# Allegro board pc065c_fibv2_toplevel_28smoothed.brd (continued)
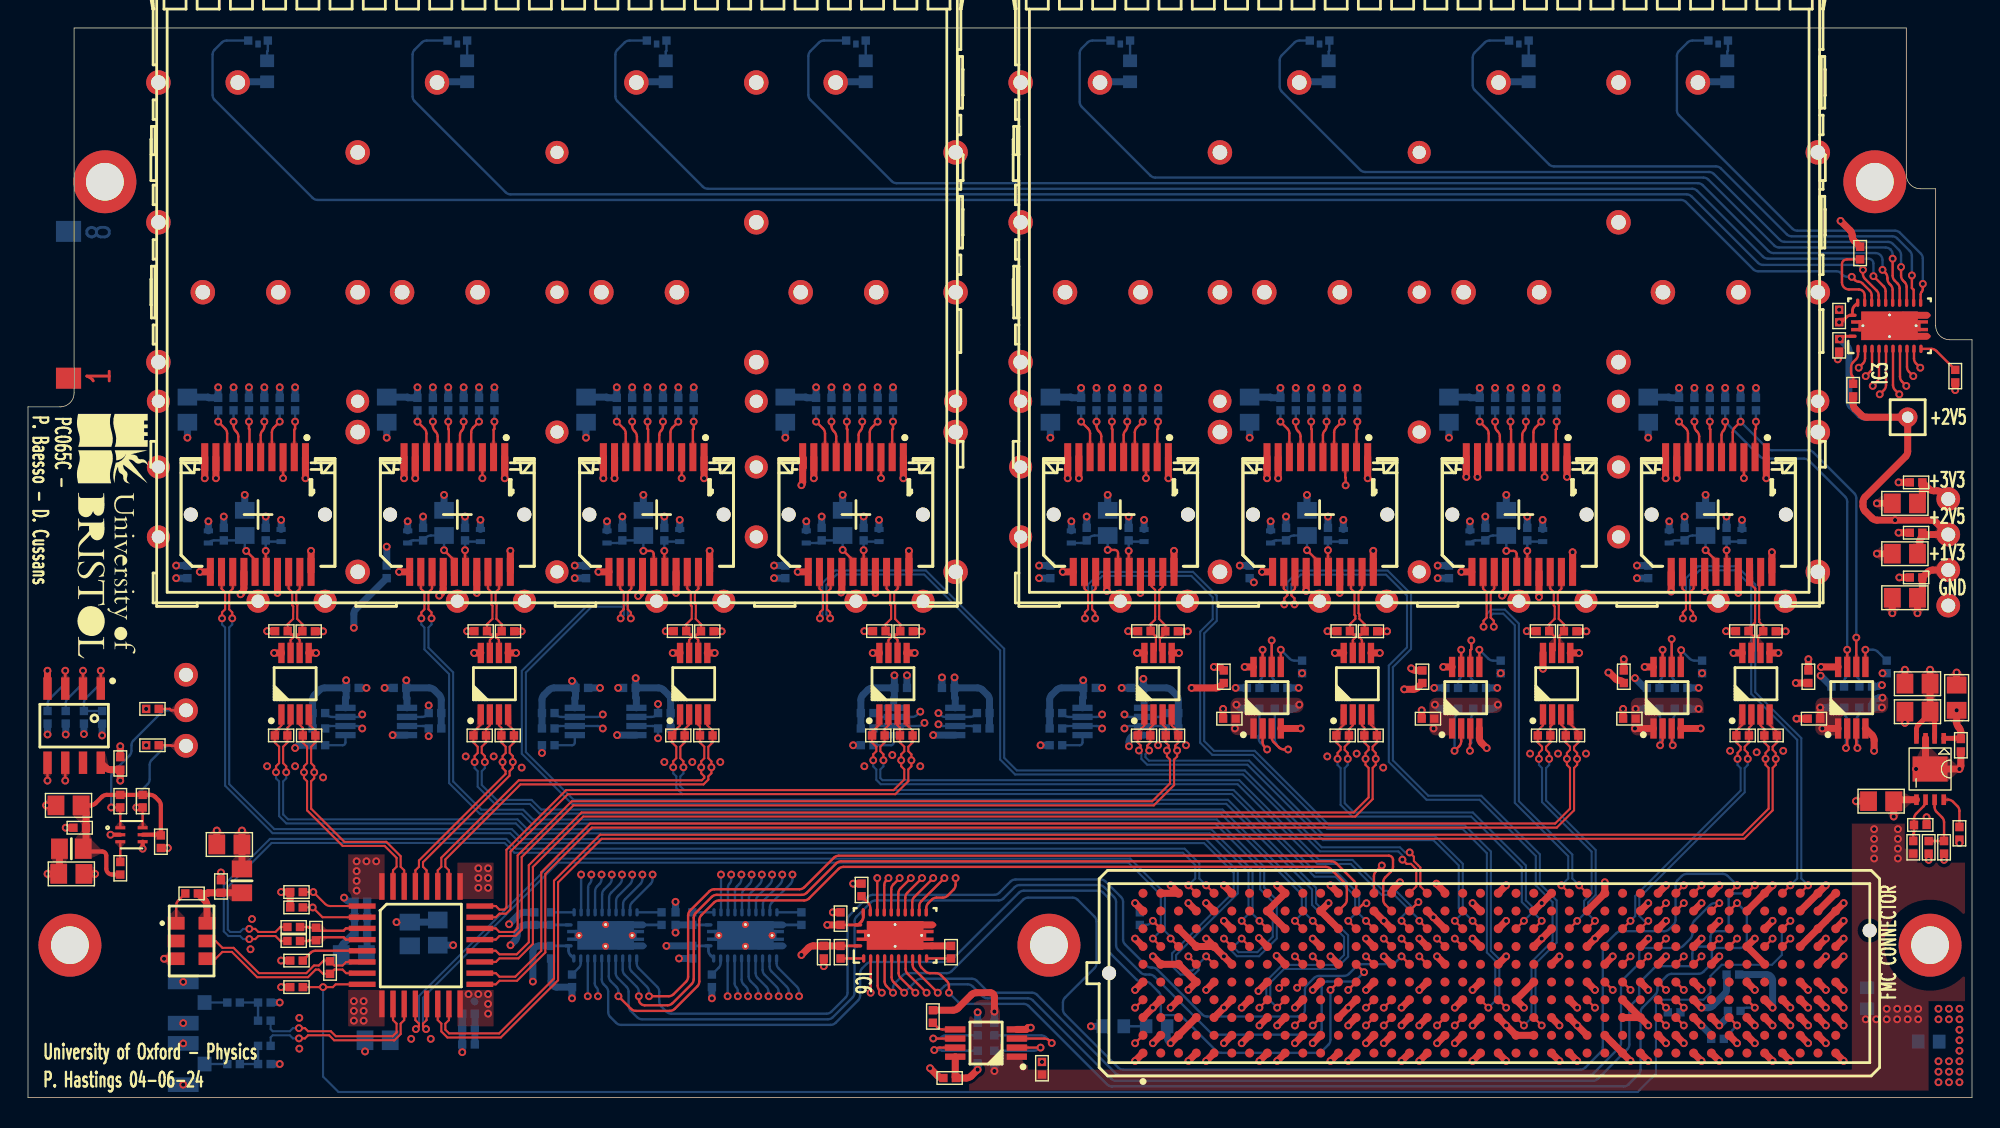
[diagram p0: board, top side]
## Routing (per net, layer and track width the routed paths; a pad name or vN(x,y) marks a point on that pad's centre or on a via; arc(x,y) is an arc through that point) (continued)
P1V3: length 29.7
  TOP w0.35: 136,27.5 C99.2 ; 136,27.5 135.17,26.67 arc(135.06,26.51) 135.03,26.32 U11.4 ; 136,27.5 arc(136.04,27.32) 136.14,27.16 136.18,27.12 arc(136.29,26.96) 136.32,26.77 U11.2
  TOP w0.5: C99.2 C100.2 v1(136,30.6) ; R22.2 v1(17.1,33.36) ; R107.2 v1(107.16,33.36) ; R42.2 v1(45.6,33.36) ; R99.2 v1(121.41,33.36) ; J40.2 136.19,37.73 arc(136,37.69) 135.83,37.58 C36.2 135.45,36.31 arc(135.41,36.12) 135.3,35.95 C37.2 v1(135.1,34.64) ; R100.2 v1(125.68,33.35) ; R34.2 v1(31.4,33.36) ; R123.2 v1(78.66,33.36) ; R108.2 v1(111.43,33.35) ; R51.2 v1(63.9,33.35) ; R43.2 v1(49.6,33.35) ; R124.2 v1(82.93,33.35) ; R116.2 v1(97.18,33.35) ; R23.2 v1(21.1,33.35) ; R35.2 v1(35.3,33.35) ; R50.2 v1(59.8,33.36) ; R115.2 v1(92.91,33.36)
  L5_PWR w0.5: 136.52,36.95 J40.2 ; J40.2 138.08,38.51 ; J40.2 137.3,36.7 ; J40.2 138.08,36.95 ; J40.2 136.27,37.73 ; J40.2 137.3,38.76 ; J40.2 136.52,38.51
  vias: v1(15.91,10.61) v1(16.02,12.77) v1(19.4,5.7) v1(19.4,3.5) v1(27.4,4.2) v1(28.8,4.2)
P2V5: length 107.5
  TOP w0.2: IC3.1 129.96,54.45 arc(129.77,54.41) 129.6,54.3 v1(129.55,54.25) ; IC6.1 R73.1
  TOP w0.5: IC20.1 v1(128.3,26.4) ; v1(55.3,10.2) 55.8,10.7 arc(55.97,10.81) 56.16,10.85 C26.2 R73.1 ; R133.1 66.14,6.25 arc(66.33,6.29) 66.5,6.4 67.45,7.35 arc(67.62,7.46) 67.81,7.5 68.8,7.5 arc(69.01,7.41) 69.1,7.2 v1(69.1,6.16) ; C38.2 135.58,40.27 ; 135.58,40.27 J40.3 136.42,41.15 arc(136.25,41.26) 136.06,41.3 v1(133.5,41.3) 132.21,41.3 arc(132.02,41.34) 131.85,41.45 131.35,41.95 arc(131.24,42.11) 131.2,42.3 131.2,42.6 arc(131.24,42.79) 131.35,42.95 134.25,45.85 arc(134.36,46.02) 134.4,46.21 TP10.1 131.45,48.66 arc(131.26,48.7) 131.09,48.81 130.65,49.25 arc(130.54,49.42) 130.5,49.61 R66.1 ; 135.58,40.27 135.41,40.1 arc(135.3,39.93) 135.26,39.74 135.26,39.27 arc(135.22,39.08) 135.11,38.91 C39.2 ; v1(128.15,27.9) 128.15,27.89 C95.2 ; 116.22,26.4 v1(114.9,26.4)
  L5_PWR w0.5: TP10.1 135.07,47.99 ; TP10.1 133.52,48.66 ; TP10.1 133.73,49.33 ; TP10.1 135.07,49.33 ; TP10.1 134.4,49.54 ; TP10.1 133.73,47.99 ; TP10.1 134.4,47.78
  BOTTOM w0.2: IC4.23 38.8,10.18 arc(38.69,10.34) 38.65,10.53 IC4.24 C23.1 ; C25.1 IC5.24 48.65,10.53 arc(48.69,10.34) 48.8,10.18 IC5.23
  BOTTOM w0.5: R138.1 19.51,25.2 arc(19.32,25.16) 19.15,25.05 v1(19.1,25) ; R166.2 v1(119.45,27.8) ; R148.1 v1(59,25.2) ; IC14.1 43.5,28.56 43.45,28.61 C83.2 ; C3.2 29.3,12.7 arc(29.13,12.59) 28.94,12.55 L2.1 v1(26.35,12.55) ; C85.2 66.25,28.61 66.3,28.56 IC15.1 ; C85.2 v1(66.25,30.05) ; C85.2 67.89,29.3 arc(68.08,29.26) 68.25,29.15 68.6,28.8 arc(68.71,28.63) 68.75,28.44 R147.2 R146.2 ; IC12.1 27.1,28.56 27.05,28.61 C81.2 ; C87.2 79.75,28.61 79.8,28.56 IC16.1 ; C87.2 81.39,29.3 arc(81.58,29.26) 81.75,29.15 82.1,28.8 arc(82.21,28.63) 82.25,28.44 R152.2 R151.2 ; C87.2 v1(79.75,29.95) ; C81.2 28.69,29.3 arc(28.88,29.26) 29.05,29.15 29.4,28.8 arc(29.51,28.63) 29.55,28.44 R137.2 R136.2 ; C81.2 v1(27.05,29.85) ; v1(132.6,28.6) 132.35,28.6 132.31,28.56 132.28,28.56 arc(132.01,28.44) 131.9,28.17 131.9,28.15 131.85,28.1 R171.2 v1(132.56,27.9) ; R162.2 101.11,27.8 arc(100.92,27.84) 100.75,27.95 100.6,28.1 v1(100.6,28.1) ; R172.2 v1(128.15,27.9) ; R167.2 v1(114.94,27.8) ; R156.2 90.39,27.8 arc(90.58,27.84) 90.75,27.95 v1(90.9,28.1) ; v1(36.1,8.3) 36.1,10.4 arc(36.23,10.72) 36.55,10.85 C23.1 ; R173.1 v1(132.6,30.35) ; C83.2 45.09,29.3 arc(45.28,29.26) 45.45,29.15 45.8,28.8 arc(45.91,28.63) 45.95,28.44 R142.2 R141.2 ; C83.2 v1(43.45,30) ; R153.1 v1(72.4,25.2) ; R132.2 v1(69.1,1.9) ; R161.2 104.59,27.8 arc(104.78,27.84) 104.95,27.95 v1(105.1,28.1) ; v1(129.55,54.25) 130.05,53.75 arc(130.16,53.58) 130.2,53.39 130.2,49.81 arc(130.24,49.62) 130.35,49.45 130.99,48.81 arc(131.16,48.7) 131.35,48.66 TP10.1 ; R143.1 v1(36.75,24.65) ; R131.2 v1(69.1,6.16) ; R157.2 86.91,27.8 arc(86.72,27.84) 86.55,27.95 86.4,28.1 v1(86.4,28.1) ; C25.1 v1(45.65,10.85)
  vias: v1(86.3,26.4) v1(91.1,30.35) v1(100.5,26.4) v1(105.3,30.35) v1(119.7,30.35) v1(131.4,5.6) v1(132,19.2) v1(132,18.5) v1(132,17.8) v1(132,17.1) v1(132.15,5.6) v1(132.9,6.35) v1(132.9,5.6) v1(133.7,19.2) v1(133.7,18.5) v1(133.7,17.8) v1(133.7,17.1) v1(133.65,6.35) v1(133.65,5.6) v1(134.4,6.35) v1(134.4,5.6) v1(135.15,6.35) v1(135.15,5.6)
P2V5_FILT: length 6.1
  BOTTOM w0.5: 31.95,6.85 31.9,6.9 ; C13.2 C14.2 C15.2 ; C7.2 C9.2 C11.2 24.25,10.25 C12.2
  vias: v1(23.5,16.9) v1(23.5,16.2) v1(23.5,15.5) v1(23.5,14.8) v1(24.2,16.9) v1(24.9,16.9) v1(31.5,7.4) v1(32.2,7.4) v1(32.9,7.4) v1(32.9,6.7) v1(32.9,6)
P3V3: length 167.8
  TOP w0.2: C27.1 IC6.24 59.58,12.58 arc(59.69,12.74) 59.73,12.93 IC6.23 ; IC3.23 130.6,56.62 arc(130.49,56.46) 130.45,56.27 IC3.24 130.36,55.95 arc(130.17,55.91) 130,55.8 129.76,55.56 arc(129.64,55.48) v1(129.5,55.45)
  TOP w0.35: U11.1 138.16,25.7 C119.1
  TOP w0.5: v1(83.2,29.3) 84.94,29.3 arc(85.13,29.34) 85.3,29.45 C90.2 ; 66.3,2.92 66.3,1.45 C80.2 67.09,1.4 arc(67.28,1.44) 67.45,1.55 v1(67.9,2) ; 116.22,30.8 v1(115.59,30.8) ; U11.5 133.65,21.3 arc(133.52,21.28) C120.2 v1(133.4,20.1) ; L3.1 C6.2 v1(15.3,19.1) ; U4.8 v1(31.9,31.8) ; C119.1 138.2,26.12 arc(138.16,26.31) 138.05,26.47 138.05,26.48 arc(137.94,26.64) 137.9,26.84 v1(137.9,27.7) ; C2.2 135.3,42.7 arc(135.41,42.87) 135.45,43.06 C1.2 135.9,43.55 arc(136.07,43.44) 136.26,43.4 136.5,43.4 arc(136.69,43.36) 136.86,43.25 J40.4 ; IC17.8 v1(86.99,30.8) ; L1.1 2.25,16.05 C4.2 v1(1.4,16) ; U5.8 v1(46.1,31.8) ; U8.8 v1(108.33,30.67) ; C27.1 v1(57.15,12.35) ; v1(98.4,29.2) 99.04,29.2 arc(99.23,29.24) 99.4,29.35 C92.2 ; IC18.8 v1(101.19,30.8) ; U9.8 v1(93.44,31.8) ; C94.2 114.01,29.74 arc(113.9,29.81) 113.77,29.84 arc(113.64,29.87) 113.53,29.94 113.07,30.4 v1(113,30.4) ; U6.8 v1(60.4,31.8) ; IC1.8 5.56,23.6 arc(5.72,23.49) 5.91,23.45 C112.1 v1(6.6,22.67) ; IC20.8 v1(128.2,30.8) ; U3.8 v1(17.6,31.8) ; U10.8 v1(79.3,31.8) ; U7.8 v1(121.94,31.8) ; R182.1 v1(135.9,17) ; C96.2 v1(126.4,29.65)
  L4_PWR w0.5: 137.3,41.78 J40.4 ; J40.4 138.08,42.03 ; J40.4 137.3,43.84 ; J40.4 136.52,43.59 ; J40.4 136.52,42.03 ; J40.4 136.27,42.81 ; J40.4 138.08,43.59
  BOTTOM w0.2: IC5.1 R70.1 ; IC4.1 R31.1
  BOTTOM w0.5: L15.2 v1(103.1,41.22) ; v1(118.05,50.76) R102.1 117.37,50.05 117.32,50.1 C60.2 ; C31.2 v1(10.6,37.15) ; R36.1 v1(33.35,50.8) ; v1(30.05,50.8) R38.2 ; v1(23.3,33.6) 23.3,34.59 arc(23.34,34.78) 23.45,34.95 C40.2 ; C32.2 12.87,50.1 12.92,50.05 R25.1 v1(13.6,50.8) ; R29.2 v1(14.7,50.8) ; R134.2 v1(67.9,6.1) ; C65.2 103.07,50.1 103.12,50.05 R110.1 v1(103.8,50.76) ; R49.2 v1(43.2,50.8) ; L18.1 v1(79.8,41.32) ; R121.2 v1(93.95,50.76) ; R106.2 v1(119.15,50.76) ; R120.2 v1(92.85,50.76) ; R135.2 v1(67.9,2) ; R13.1 v1(76,5.1) ; R139.2 R140.2 20.35,28.44 arc(20.39,28.63) 20.5,28.8 20.85,29.15 arc(21.02,29.26) 21.21,29.3 C82.2 ; R41.2 v1(28.95,50.8) ; R122.2 v1(90.65,50.76) ; v1(56.35,50.8) R53.1 55.67,50.05 55.62,50.1 C51.2 ; R57.2 v1(57.45,50.8) ; R28.2 v1(18,50.8) ; C41.2 27.12,50.1 27.17,50.05 R37.1 v1(27.85,50.8) ; R111.2 v1(106,50.76) ; IC12.8 22.7,28.56 22.75,28.61 C82.2 ; C45.2 v1(39.09,37.15) ; R164.2 v1(105.06,29.3) ; v1(42.1,50.8) R45.1 41.42,50.05 41.37,50.1 C46.2 ; v1(89.55,50.76) R118.1 88.87,50.05 88.82,50.1 C70.2 ; R129.2 v1(79.7,50.76) ; IC16.8 75.4,28.56 75.45,28.61 C88.2 ; R52.1 v1(61.85,50.8) ; C64.2 v1(100.8,37.15) ; C84.2 37.61,29.3 arc(37.42,29.26) 37.25,29.15 36.9,28.8 arc(36.79,28.63) 36.75,28.44 R145.2 R144.2 ; C84.2 39.15,28.61 39.1,28.56 IC14.8 ; C84.2 39.15,29.34 arc(39.11,29.53) 39,29.7 v1(38.9,29.8) ; R128.2 v1(78.6,50.76) ; L6.1 v1(32.35,41.32) ; R56.2 v1(60.75,50.8) ; R114.2 v1(104.9,50.76) ; R125.1 v1(80.8,50.76) ; C82.2 v1(22.75,29.85) ; R26.2 v1(15.8,50.8) ; R48.2 v1(46.5,50.8) ; C88.2 73.91,29.3 arc(73.72,29.26) 73.55,29.15 73.2,28.8 arc(73.09,28.63) 73.05,28.44 R155.2 R154.2 ; C88.2 v1(75.45,29.85) ; C50.2 v1(53.34,37.15) ; L14.1 v1(108.3,41.32) ; R24.1 v1(19.1,50.8) ; R47.2 v1(45.4,50.8) ; R40.2 v1(32.25,50.8) ; R105.2 v1(122.45,50.76) ; R103.2 v1(120.25,50.76) ; R127.2 v1(77.5,50.76) ; R101.1 v1(123.55,50.76) ; R159.2 v1(90.86,29.3) ; C86.2 61.95,28.61 61.9,28.56 IC15.8 ; C86.2 v1(61.95,30.2) ; C86.2 60.41,29.3 arc(60.22,29.26) 60.05,29.15 59.7,28.8 arc(59.59,28.63) 59.55,28.44 R150.2 R149.2 ; L11.2 v1(55.65,41.22) ; v1(34.5,10.9) 34.83,11.22 arc(34.93,11.39) 34.97,11.58 34.97,11.73 arc(35.01,11.92) 35.12,12.08 35.24,12.2 arc(35.4,12.31) 35.59,12.35 C22.2 R31.1 ; R54.2 v1(58.55,50.8) ; R119.2 v1(91.75,50.76) ; v1(59.65,50.8) R55.2 ; R39.2 v1(31.15,50.8) ; C59.2 v1(115.05,37.15) ; L12.1 v1(122.55,41.32) ; R113.2 v1(108.2,50.76) ; C69.2 v1(87.65,36.85) ; L7.2 v1(27.15,41.22) ; R70.1 C24.2 v1(46.3,11.8) ; v1(132.56,29.5) 132.4,29.5 132.3,29.4 R174.2 ; L4.1 v1(18.1,41.32) ; L13.2 v1(117.35,41.22) ; R130.2 v1(76.4,50.76) ; L8.1 v1(46.6,41.32) ; R160.2 v1(86.34,29.3) ; R201.2 v1(5.3,25.9) ; L5.2 v1(12.9,41.22) ; L9.2 v1(41.4,41.22) ; R109.1 v1(109.3,50.76) ; v1(114.9,30) 115.49,29.41 arc(115.61,29.33) R170.2 ; R169.2 v1(119.45,29.3) ; R27.2 v1(16.9,50.8) ; L16.1 v1(94.05,41.32) ; R117.1 v1(95.05,50.76) ; L19.2 v1(74.6,41.22) ; R112.2 v1(107.1,50.76) ; C74.2 v1(72.3,37.15) ; v1(75.3,50.76) R126.1 74.62,50.05 74.57,50.1 C75.2 ; L17.2 v1(88.85,41.22) ; R46.2 v1(44.3,50.8) ; R104.2 v1(121.35,50.76) ; L10.1 v1(60.85,41.32) ; R165.2 v1(100.55,29.3) ; R44.1 v1(47.6,50.8) ; R175.2 v1(128.18,30.18)
  vias: v1(8.45,27.8) v1(8.45,25.2) v1(136.6,6.35) v1(136.6,5.6) v1(136.6,2.6) v1(136.6,1.85) v1(136.6,1.1) v1(137.35,6.35) v1(137.35,5.6) v1(137.35,2.6) v1(137.35,1.85) v1(137.35,1.1) v1(138.1,6.35) v1(138.1,5.6) v1(138.1,4.85) v1(138.1,4.1) v1(138.1,3.35) v1(138.1,2.6) v1(138.1,1.85) v1(138.1,1.1)
P3V3A: length 17.2
  TOP w0.3: R11.2 6.02,15.95 arc(5.72,16.07) 5.6,16.37 5.6,17.3 arc(5.51,17.51) 5.3,17.6 4.36,17.6 arc(4.17,17.64) 4,17.75 L1.2 ; C8.2 4.47,20.9 arc(4.66,20.94) 4.82,21.05 5.28,21.5 arc(5.44,21.61) 5.63,21.65 R8.2 R10.2 8.74,21.65 arc(8.93,21.61) 9.1,21.5 9.35,21.25 arc(9.46,21.08) 9.5,20.89 C29.1 9.45,18.8 IC2.5
  TOP w0.5: L1.2 4,17.85 arc(4.11,18.02) 4.15,18.21 C5.2 4.15,20.34 arc(4.11,20.53) 4,20.7 C8.2
P3V3AUX: length 4.3
  TOP w0.5: 119.09,7 v1(119.66,6.43)
  BOTTOM w0.5: R21.1 121.45,7.76 arc(121.41,7.57) 121.3,7.41 120.47,6.58 arc(120.31,6.47) 120.12,6.43 v1(119.66,6.43)
P3V3C: length 5.5
  TOP w0.5: L3.2 C10.2 12.88,14.65 12.83,14.6 R3.1 12.65,14.1 arc(12.76,13.93) 12.8,13.74 QZ1.6
P12V: length 4.7
  TOP w0.5: J2.C35 v1(123.47,5.16) ; J2.C37 v1(126.01,5.16)
  L3_SIG w0.5: v1(126.01,5.16) 125.43,4.58 arc(125.27,4.47) 125.08,4.43 124.41,4.43 arc(124.22,4.47) 124.05,4.58 v1(123.47,5.16)
250MXTAL_N: length 12.6
  TOP w0.15: QZ1.4 13.41,9.93 13.9,10.42 14.58,10.42 16.39,8.61 20.02,8.61 20.57,9.15 20.79,9.15 21.1,8.85 R4.2 21.91,9.15 22.49,9.15 22.75,8.9 U1.7
250MXTAL_P: length 12.7
  TOP w0.15: U1.6 22.75,9.7 22.49,9.45 21.91,9.45 R4.1 21.55,9.8 21.15,9.8 20.79,9.45 20.45,9.45 19.9,8.9 16.51,8.9 14.7,10.71 13.9,10.71 13.41,11.2 QZ1.5
CDCLVD110_CK: length 132.5
  TOP w0.15: R6.2 v1(20.4,14.7) 21.25,13.85 arc(21.42,13.74) 21.61,13.7 U1.1 ; 116.56,10.8 v1(117.12,11.37)
  L6_SIG w0.15: v1(20.4,14.7) 20.75,14.35 arc(20.86,14.18) 20.9,13.99 20.9,12.01 arc(20.86,11.82) 20.75,11.65 20.65,11.55 arc(20.54,11.38) 20.5,11.19 20.5,4.61 arc(20.54,4.42) 20.65,4.25 23.75,1.15 arc(23.92,1.04) 24.11,1 74.99,1 arc(75.18,1.04) 75.35,1.15 77.65,3.45 arc(77.76,3.62) 77.8,3.81 77.8,6.89 arc(77.84,7.09) 77.95,7.25 78.85,8.15 arc(79.02,8.26) 79.21,8.3 80.89,8.3 arc(81.08,8.26) 81.25,8.15 82.25,7.15 arc(82.36,6.98) 82.4,6.79 82.4,2.51 arc(82.44,2.32) 82.55,2.15 83.35,1.35 arc(83.52,1.24) 83.71,1.2 108.84,1.2 arc(109.03,1.24) 109.2,1.35 109.95,2.1 arc(110.06,2.27) 110.1,2.46 110.1,8.39 arc(110.14,8.58) 110.25,8.75 112.15,10.65 arc(112.32,10.76) 112.51,10.8 116.34,10.8 arc(116.53,10.84) 116.7,10.95 v1(117.12,11.37)
CDCLVD110_EN: length 126.7
  TOP w0.15: U1.8 22,8.1 21.8,7.9 v1(21.1,7.9) R7.2 ; J2.H37 v1(126.01,12.64)
  BOTTOM w0.15: v1(126.01,12.64) 125.4,12.03 125.4,10.2 124.7,9.5 121.1,9.5 120.3,8.7 120.3,7.5 119.8,7 116.7,7 116.4,6.7 116.4,1.7 115.1,0.4 22.2,0.4 21.1,1.5 v1(21.1,7.9)
CDCLVD110_SI: length 122.6
  TOP w0.15: R5.2 v1(20.36,13.6) 21.06,12.9 U1.2 ; J2.D26 v1(112.04,6.43)
  L6_SIG w0.15: v1(20.36,13.6) 20,13.24 20,4.3 23.7,0.6 75.7,0.6 78.4,3.3 78.4,6.6 78.9,7.1 80.7,7.1 81.1,6.7 81.1,2.6 82.9,0.8 110.21,0.8 111.4,1.99 111.4,5.79 v1(112.04,6.43)
CLK_DIR: length 3.9
  TOP w0.17: J2.B1 v1(79.16,3.89)
  BOTTOM w0.17: v1(79.16,3.89) 79.8,4.53 arc(79.91,4.7) 79.95,4.89 R14.2 R13.2
CLK_IN_N<1>: length 82.7
  TOP w0.15: C18.1 18.05,11.2 17.69,11.55 16.47,11.55 16.25,11.34 v1(15.82,11.34) ; J2.K5 v1(84.24,15.18)
  BOTTOM w0.15: v1(15.82,11.34) 15.39,11.34 15.17,11.55 14.33,11.55 14,11.89 14,15.2 17.3,18.5 34.2,18.5 34.9,17.8 82.7,17.8 83.75,16.75 83.75,15.67 v1(84.24,15.18)
CLK_IN_P<1>: length 81.3
  TOP w0.15: C16.2 18.05,12.2 17.69,11.85 16.47,11.85 16.25,12.06 v1(15.82,12.06) ; J2.K4 v1(82.97,15.18)
  BOTTOM w0.15: v1(15.82,12.06) 15.39,12.06 15.17,11.85 14.46,11.85 14.29,12.01 14.29,15.08 17.42,18.21 34.08,18.21 34.78,17.51 82.58,17.51 83.46,16.63 83.46,15.67 v1(82.97,15.18)
CLK_MAIN_N<0>: length 17.3
  TOP w0.15: U3.4 20.07,26.73 20.55,26.25 R186.2 20.55,25.4 20.25,25.09 20.25,23.92 20.46,23.7 v1(20.46,23.27) 20.46,22.84 20.25,22.62 20.25,20.67 22.62,18.29 25.62,18.29 26.64,17.27 26.64,16.51 26.9,16.25 U1.30
CLK_MAIN_N<1>: length 15.5
  TOP w0.15: U1.28 28.5,16.25 28.25,16.51 28.25,16.84 34.44,23.03 34.44,23.34 34.66,23.57 v1(34.66,24) 34.66,24.43 34.45,24.65 34.45,25.09 34.75,25.4 R188.2 34.75,26.25 34.33,26.68 U4.4
CLK_MAIN_N<2>: length 28.3
  TOP w0.15: U5.4 48.58,26.62 48.95,26.25 R190.2 48.95,25.4 48.65,25.09 48.65,24.27 48.87,24.05 v1(48.87,23.62) 48.87,23.2 48.65,22.98 48.65,22.74 48.3,22.4 35.21,22.4 29.84,17.03 29.84,16.51 30.1,16.25 U1.26
CLK_MAIN_N<3>: length 42.3
  TOP w0.15: U1.23 33.45,12.9 33.71,13.15 34.18,13.15 34.5,13.47 34.5,17.6 38.6,21.7 62.01,21.7 62.95,22.63 62.95,23.48 63.16,23.7 v1(63.16,24.12) 63.16,24.55 62.95,24.77 62.95,25.09 63.25,25.4 R192.2 63.25,26.25 62.83,26.68 U6.4
CLK_MAIN_N<4>: length 62.8
  TOP w0.15: 81.78,27.4 81.78,26.62 82.25,26.15 R200.2 82.25,25.4 82.03,25.18 82.03,24.96 v1(82.17,24.82) 82.17,24.4 81.94,24.18 81.94,22.34 80.5,20.9 39,20.9 35.3,17.2 35.3,12 34.85,11.55 33.71,11.55 33.45,11.3 U1.21
CLK_MAIN_N<5>: length 78.4
  TOP w0.15: U9.4 96.03,26.68 96.45,26.25 R198.2 96.45,25.4 96.14,25.09 96.14,24.87 96.36,24.65 v1(96.36,24.22) 96.36,23.8 96.14,23.58 96.14,21.34 94.9,20.1 39.7,20.1 36.1,16.5 36.1,10.99 35.07,9.96 33.71,9.96 33.45,9.7 U1.19
CLK_MAIN_N<6>: length 94.1
  TOP w0.15: U1.17 33.45,8.1 33.71,8.36 34.97,8.36 36.99,10.38 36.99,15.99 40.31,19.31 109.31,19.31 110.55,20.55 110.55,23.58 110.77,23.8 v1(110.77,24.22) 110.77,24.65 110.55,24.87 110.55,25.09 110.85,25.4 R196.2 110.85,26.15 110.28,26.73 110.28,27.4
CLK_MAIN_N<7>: length 115.7
  TOP w0.15: U1.14 29.3,5.54 29.55,5.29 29.55,4.73 29.99,4.3 33.81,4.3 37.9,8.39 37.9,15.39 41.02,18.51 122.71,18.51 124.75,20.55 124.75,23.58 124.97,23.8 v1(124.97,24.22) 124.97,24.65 124.75,24.87 124.75,25.09 125.05,25.4 R194.2 125.05,26.15 124.53,26.68 U7.4
CLK_MAIN_N<8>: length 67.1
  TOP w0.15: v1(27.73,4.9) 27.91,5.08 27.95,5.08 27.95,5.29 27.7,5.54 U1.12 ; 82.27,10.8 v1(81.7,11.37)
  BOTTOM w0.15: v1(27.73,4.9) 27.95,5.12 27.95,7.27 37.78,17.09 78.81,17.09 81.29,14.61 81.29,11.91 81.7,11.5 v1(81.7,11.37)
CLK_MAIN_N<9>: length 12.3
  TOP w0.15: U1.10 26.1,5.54 26.36,5.29 26.36,4.67 26.08,4.39 22.01,4.39 21.66,4.75 20.02,4.75 19.8,4.96 v1(19.38,4.96)
  BOTTOM w0.15: v1(19.38,4.96) 18.94,4.96 18.72,4.75 17.5,4.75 17.35,4.89 C121.1
CLK_MAIN_P<0>: length 17.2
  TOP w0.15: U1.31 26.1,16.25 26.36,16.51 26.36,17.14 25.5,18 22.5,18 19.95,20.55 19.95,22.62 19.73,22.84 v1(19.73,23.27) 19.73,23.7 19.95,23.92 19.95,25.09 19.65,25.4 R186.1 19.65,26.45 19.43,26.68 U3.3
CLK_MAIN_P<1>: length 15.3
  TOP w0.15: U4.3 33.67,26.62 33.85,26.45 R188.1 33.85,25.4 34.16,25.09 34.16,24.65 33.94,24.43 v1(33.94,24) 33.94,23.57 34.15,23.36 34.15,23.15 27.95,16.96 27.95,16.51 27.7,16.25 U1.29
CLK_MAIN_P<2>: length 28.2
  TOP w0.15: 47.92,27.4 47.92,26.68 48.05,26.55 R190.1 48.05,25.4 48.35,25.09 48.35,24.27 48.13,24.05 v1(48.13,23.62) 48.13,23.2 48.35,22.98 48.35,22.86 48.18,22.69 35.09,22.69 29.55,17.16 29.55,16.51 29.3,16.25 U1.27
CLK_MAIN_P<3>: length 41.8
  TOP w0.15: U6.3 62.17,26.62 62.35,26.45 R192.1 62.35,25.4 62.66,25.09 62.66,24.77 62.44,24.55 v1(62.44,24.12) 62.44,23.7 62.66,23.48 62.66,22.75 61.89,21.99 38.48,21.99 34.21,17.72 34.21,13.6 34.06,13.45 33.71,13.45 33.45,13.7 U1.24
CLK_MAIN_P<4>: length 62.2
  TOP w0.15: U10.3 81.12,26.68 81.35,26.45 R200.1 81.35,25.4 81.56,25.19 81.56,24.98 81.44,24.85 v1(81.44,24.82) 81.44,24.4 81.66,24.18 81.66,22.47 80.38,21.19 38.88,21.19 35.01,17.32 35.01,12.12 34.73,11.85 33.71,11.85 33.45,12.1 U1.22
CLK_MAIN_P<5>: length 77.9
  TOP w0.15: U1.20 33.45,10.5 33.71,10.24 34.95,10.24 35.81,11.11 35.81,16.62 39.58,20.39 94.78,20.39 95.86,21.47 95.86,23.58 95.64,23.8 v1(95.64,24.22) 95.64,24.65 95.86,24.87 95.86,25.09 95.55,25.4 R198.1 95.55,26.45 95.38,26.62 U9.3
CLK_MAIN_P<6>: length 93.5
  TOP w0.15: U1.18 33.45,8.9 33.71,8.64 34.84,8.64 36.7,10.5 36.7,16.11 40.19,19.6 109.19,19.6 110.25,20.67 110.25,23.58 110.03,23.8 v1(110.03,24.22) 110.03,24.65 110.25,24.87 110.25,25.09 109.95,25.4 R196.1 109.95,26.35 109.62,26.68 U8.3
CLK_MAIN_P<7>: length 114.6
  TOP w0.15: U7.3 123.88,26.62 124.15,26.35 R194.1 124.15,25.4 124.45,25.09 124.45,24.87 124.23,24.65 v1(124.23,24.22) 124.23,23.8 124.45,23.58 124.45,20.67 122.59,18.8 40.9,18.8 37.61,15.51 37.61,8.51 33.69,4.59 30.11,4.59 29.84,4.85 29.84,5.29 30.1,5.54 U1.15
CLK_MAIN_P<8>: length 66.2
  TOP w0.15: 81,10.8 v1(80.43,11.37) ; v1(28.46,4.9) 28.29,5.08 28.25,5.08 28.25,5.29 28.5,5.54 U1.13
  BOTTOM w0.15: v1(80.43,11.37) 81,11.94 81,14.49 78.69,16.8 37.9,16.8 28.25,7.14 28.25,5.12 v1(28.46,4.9)
CLK_MAIN_P<9>: length 12.7
  TOP w0.15: v1(19.38,4.24) 19.8,4.24 20.02,4.46 21.53,4.46 21.89,4.1 26.2,4.1 26.64,4.54 26.64,5.29 26.9,5.54 U1.11
  BOTTOM w0.15: v1(19.38,4.24) 18.94,4.24 18.72,4.46 17.5,4.46 17.35,4.3 C30.1
CLK_VOLTREFOUT: length 4.5
  TOP w0.17: U1.5 20.56,10.5 arc(20.37,10.46) 20.2,10.35 R9.1
FMC_3P3V: length 7.8
  TOP w0.5: 129.25,7 v1(129.82,6.43) ; 124.17,7 v1(124.74,6.43) ; 126.72,7 v1(127.28,6.43) ; J2.C39 v1(128.55,5.16)
  BOTTOM w0.5: R21.2 124.3,8.8 arc(124.61,8.67) 124.74,8.36 v1(124.74,6.43)
I2C_SCL: length 99.7
  TOP w0.17: IC1.6 v1(2.67,22.67) ; v1(64.8,3.4) 64.83,3.43 arc(64.99,3.54) 65.18,3.58 IC11.7 ; R94.1 10.14,27.8 10.24,27.7 J1.2 ; IC2.1 R8.1 v1(5.95,20.75)
  L6_SIG w0.17: v1(64.8,3.4) 64.21,3.4 arc(64.02,3.36) 63.85,3.25 62.25,1.65 arc(62.08,1.54) 61.89,1.5 24.21,1.5 arc(24.02,1.54) 23.85,1.65 22.15,3.35 arc(22.04,3.52) 22,3.71 22,7.89 arc(21.96,8.08) 21.85,8.25 21.65,8.45 arc(21.54,8.62) 21.5,8.81 21.5,16.99 arc(21.46,17.18) 21.35,17.35 18.95,19.75 arc(18.78,19.86) 18.59,19.9 7.01,19.9 arc(6.82,19.94) 6.65,20.05 v1(5.95,20.75) 3.96,20.75 arc(3.77,20.79) 3.6,20.9 2.81,21.69 arc(2.7,21.85) 2.67,22.04 v1(2.67,22.67)
  BOTTOM w0.17: R135.1 65.35,3.35 65.3,3.4 v1(64.8,3.4) ; v1(5.95,20.75) 5.95,22.94 arc(5.99,23.13) 6.1,23.3 7.25,24.45 arc(7.36,24.62) 7.4,24.81 7.4,25.19 arc(7.44,25.38) 7.55,25.55 9.55,27.55 arc(9.72,27.66) 9.91,27.7 J1.2
I2C_SCL_CVCC: length 54.6
  TOP w0.17: 70.7,3.58 v1(72.4,3.58) ; 116.56,5.72 v1(117.12,5.16)
  L3_SIG w0.17: v1(72.4,3.58) 74.73,1.25 arc(74.89,1.14) 75.08,1.1 115.19,1.1 arc(115.38,1.14) 115.55,1.25 116.25,1.95 arc(116.36,2.12) 116.4,2.31 116.4,4.23 arc(116.44,4.42) 116.55,4.58 v1(117.12,5.16)
  BOTTOM w0.17: v1(72.4,3.58) 72.38,3.6 72.27,3.5 arc(72.11,3.39) 71.92,3.35 R132.1
I2C_SDA: length 98.2
  TOP w0.17: 1.4,23.95 v1(1.4,22.67) ; R93.1 10.2,25.2 10.24,25.16 J1.3 ; 66.3,4.22 v1(64.72,4.22) ; IC2.6 R10.1 v1(7.75,20.75)
  L6_SIG w0.17: v1(1.4,22.67) 2.05,23.33 arc(2.22,23.44) 2.41,23.48 4.22,23.48 arc(4.41,23.44) 4.57,23.33 6.15,21.75 arc(6.32,21.64) 6.51,21.6 6.69,21.6 arc(6.88,21.56) 7.05,21.45 v1(7.75,20.75) 19.34,20.75 arc(19.53,20.71) 19.7,20.6 21.85,18.45 arc(21.96,18.28) 22,18.09 22,9.21 arc(22.04,9.02) 22.15,8.85 22.45,8.55 arc(22.56,8.38) 22.6,8.19 22.6,3.81 arc(22.64,3.62) 22.75,3.45 24.15,2.05 arc(24.32,1.94) 24.51,1.9 61.39,1.9 arc(61.58,1.94) 61.75,2.05 63.78,4.08 arc(63.94,4.19) 64.13,4.22 v1(64.72,4.22)
  BOTTOM w0.17: J1.3 10.07,25.16 arc(9.88,25.12) 9.71,25.01 8.85,24.15 arc(8.74,23.98) 8.7,23.79 8.7,22.77 arc(8.66,22.58) 8.55,22.41 7.9,21.76 arc(7.79,21.59) 7.75,21.4 v1(7.75,20.75) ; v1(64.72,4.22) 65.07,4.22 arc(65.21,4.25) 65.34,4.34 65.34,4.34 arc(65.46,4.42) 65.61,4.45 R134.1
I2C_SDA_CVCC: length 63
  TOP w0.17: J2.C31 v1(118.39,5.16) ; v1(73.2,3.9) 73.02,4.08 arc(72.86,4.19) 72.67,4.22 IC11.3
  L3_SIG w0.17: v1(118.39,5.16) 117.95,4.71 arc(117.84,4.55) 117.8,4.36 117.8,1.51 arc(117.76,1.32) 117.65,1.15 117.35,0.85 arc(117.18,0.74) 116.99,0.7 72.21,0.7 arc(72.02,0.74) 71.85,0.85 71.55,1.15 arc(71.44,1.32) 71.4,1.51 71.4,3.29 arc(71.44,3.48) 71.55,3.65 72,4.1 arc(72.16,4.21) 72.36,4.25 72.64,4.25 arc(72.84,4.21) 73,4.1 v1(73.2,3.9)
  BOTTOM w0.17: R131.1 72.44,4.45 arc(72.63,4.41) 72.8,4.3 v1(73.2,3.9)
LED_0: length 131.1
  TOP w0.17: v1(130.4,58.7) 130.64,58.46 arc(130.76,58.38) 130.9,58.35 arc(131.04,58.32) 131.15,58.25 131.68,57.72 arc(131.79,57.56) 131.82,57.37 IC3.21
  BOTTOM w0.17: v1(130.4,58.7) 130.11,58.7 arc(129.92,58.74) 129.75,58.85 129.65,58.95 arc(129.48,59.06) 129.29,59.1 123.71,59.1 arc(123.52,59.14) 123.35,59.25 118.55,64.05 arc(118.38,64.16) 118.19,64.2 20.71,64.2 arc(20.52,64.24) 20.35,64.35 13.35,71.35 arc(13.24,71.52) 13.2,71.71 13.2,74.59 arc(13.24,74.78) 13.35,74.95 13.85,75.45 arc(14.02,75.56) 14.21,75.6 DS1.2
LED_1: length 117.6
  TOP w0.17: v1(131.2,59.2) 131.2,58.91 arc(131.24,58.72) 131.35,58.55 132.18,57.72 arc(132.29,57.56) 132.32,57.37 IC3.20
  BOTTOM w0.17: v1(131.2,59.2) 130.99,59.41 arc(130.83,59.52) 130.64,59.55 124.05,59.55 arc(123.86,59.59) 123.7,59.7 118.95,64.45 arc(118.78,64.56) 118.59,64.6 34.51,64.6 arc(34.32,64.64) 34.15,64.75 27.65,71.25 arc(27.54,71.42) 27.5,71.61 27.5,74.59 arc(27.54,74.78) 27.65,74.95 28.15,75.45 arc(28.32,75.56) 28.51,75.6 DS2.2
LED_2: length 103.9
  TOP w0.17: IC3.19 132.82,57.67 arc(132.79,57.86) 132.68,58.02 v1(131.95,58.75)
  BOTTOM w0.17: v1(131.95,58.75) 131.95,59.65 arc(131.85,59.9) 131.6,60 124.41,60 arc(124.22,60.04) 124.05,60.15 119.35,64.85 arc(119.18,64.96) 118.99,65 48.61,65 arc(48.42,65.04) 48.25,65.15 42.15,71.25 arc(42.04,71.42) 42,71.61 42,74.59 arc(42.04,74.78) 42.15,74.95 42.65,75.45 arc(42.82,75.56) 43.01,75.6 DS3.2
LED_3: length 91.1
  TOP w0.17: IC3.18 133.32,57.77 arc(133.29,57.96) 133.18,58.12 133.09,58.2 arc(132.99,58.37) 132.95,58.56 132.95,58.65 arc(132.91,58.84) 132.8,59 v1(132.6,59.2)
  BOTTOM w0.17: DS4.2 56.91,75.6 arc(56.72,75.56) 56.55,75.45 55.95,74.85 arc(55.84,74.68) 55.8,74.49 55.8,71.71 arc(55.84,71.52) 55.95,71.35 61.75,65.55 arc(61.92,65.44) 62.11,65.4 119.39,65.4 arc(119.58,65.36) 119.75,65.25 124.45,60.55 arc(124.62,60.44) 124.81,60.4 132.1,60.4 arc(132.45,60.25) 132.6,59.9 v1(132.6,59.2)
LED_4: length 72.5
  TOP w0.17: v1(133.32,60) 133.32,58.78 arc(133.36,58.59) 133.47,58.43 133.68,58.22 arc(133.79,58.06) 133.82,57.87 IC3.17
  BOTTOM w0.17: v1(133.32,60) 133.32,60.29 arc(133.29,60.48) 133.18,60.65 133.17,60.65 arc(133.01,60.76) 132.82,60.8 125.21,60.8 arc(125.02,60.84) 124.85,60.95 120.15,65.65 arc(119.98,65.76) 119.79,65.8 80.61,65.8 arc(80.42,65.84) 80.25,65.95 75.35,70.85 arc(75.24,71.02) 75.2,71.21 75.2,74.69 arc(75.24,74.88) 75.35,75.05 75.75,75.45 arc(75.92,75.56) 76.11,75.6 DS5.2
LED_5: length 57.8
  TOP w0.17: IC3.16 134.32,57.97 arc(134.29,58.16) 134.18,58.32 134.07,58.43 arc(133.96,58.59) 133.93,58.78 v1(133.93,59.4)
  BOTTOM w0.17: v1(133.93,59.4) 133.93,60.27 arc(133.89,60.46) 133.78,60.62 133.35,61.05 arc(133.18,61.16) 132.99,61.2 125.61,61.2 arc(125.42,61.24) 125.25,61.35 120.55,66.05 arc(120.38,66.16) 120.19,66.2 95.61,66.2 arc(95.42,66.24) 95.25,66.35 89.65,71.95 arc(89.54,72.12) 89.5,72.31 89.5,74.19 arc(89.54,74.38) 89.65,74.55 90.55,75.45 arc(90.72,75.56) 90.91,75.6 DS6.2
LED_6: length 45.1
  TOP w0.17: IC3.15 134.82,57.77 134.7,57.9 v1(134.7,58.8)
  BOTTOM w0.17: v1(134.7,58.8) 134.7,60.19 arc(134.66,60.38) 134.55,60.55 133.65,61.45 arc(133.48,61.56) 133.29,61.6 126.11,61.6 arc(125.92,61.64) 125.75,61.75 121.05,66.45 arc(120.88,66.56) 120.69,66.6 109.11,66.6 arc(108.92,66.64) 108.75,66.75 103.45,72.05 arc(103.34,72.22) 103.3,72.41 103.3,74.39 arc(103.34,74.58) 103.45,74.75 104.15,75.45 arc(104.32,75.56) 104.51,75.6 DS7.2
LED_7: length 32
  TOP w0.17: IC3.14 135.32,57.44 arc(135.35,57.54) 135.4,57.63 arc(135.46,57.72) 135.48,57.82 v1(135.48,58.2)
  BOTTOM w0.17: DS8.2 119.01,75.6 arc(118.82,75.56) 118.65,75.45 118.05,74.85 arc(117.94,74.68) 117.9,74.49 117.9,70.61 arc(117.94,70.42) 118.05,70.25 126.15,62.15 arc(126.32,62.04) 126.51,62 133.49,62 arc(133.68,61.96) 133.85,61.85 135.34,60.37 arc(135.44,60.2) 135.48,60.01 v1(135.48,58.2)
LED_FPGA<0>: length 51.6
  TOP w0.17: 114.02,9.54 v1(114.58,10.1) ; v1(130.9,52.2) 131.2,52.5 arc(131.31,52.67) 131.35,52.86 IC3.3
  L3_SIG w0.17: v1(130.9,52.2) 130.65,51.95 arc(130.54,51.78) 130.5,51.59 130.5,48.11 arc(130.46,47.92) 130.35,47.75 127.95,45.35 arc(127.84,45.18) 127.8,44.99 127.8,41.41 arc(127.76,41.22) 127.65,41.05 123.85,37.25 arc(123.74,37.08) 123.7,36.89 123.7,29.01 arc(123.66,28.82) 123.55,28.65 119.95,25.05 arc(119.84,24.88) 119.8,24.69 119.8,19.61 arc(119.76,19.42) 119.65,19.25 113.95,13.55 arc(113.84,13.38) 113.8,13.19 113.8,11.09 arc(113.84,10.9) 113.95,10.74 v1(114.58,10.1)